# Altium PCB BLDC_v4.PcbDoc (part 1 of 2) (continued)
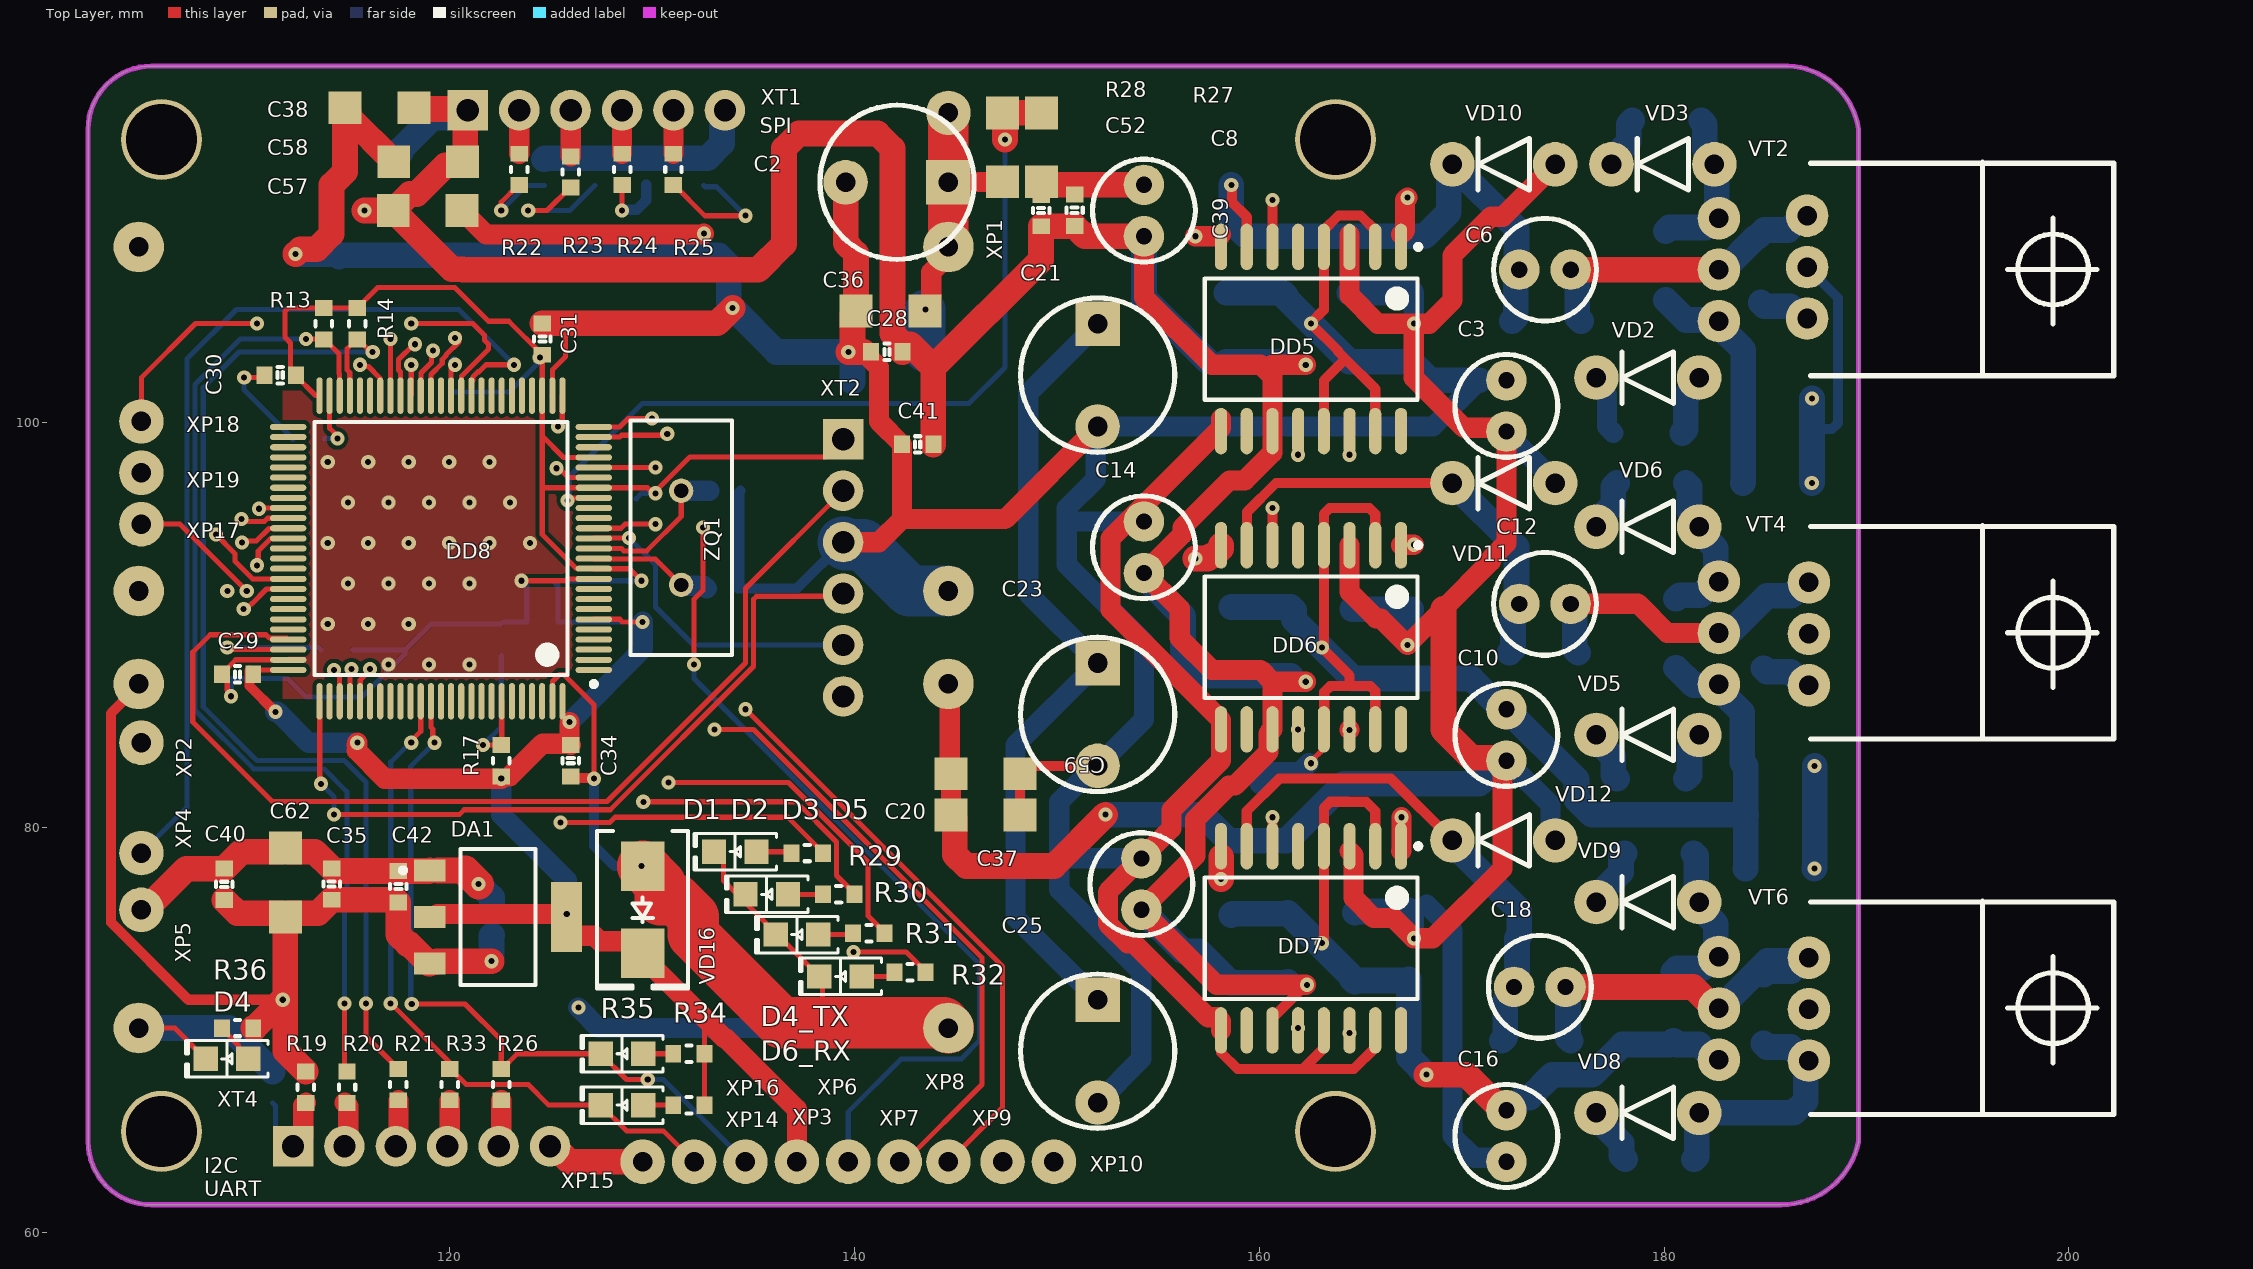
[diagram p0: Top Layer view]

## Layer stack, top to bottom
Top Solder: solder mask 0.0254, SM-001, Dk 4
Top Layer: signal copper 0.035
Dielectric 1: prepreg 0.1295, PP-017, Dk 4.3
Dielectric 2: prepreg 0.1295, PP-017, Dk 4.3
Layer 1: signal copper 0.035
Dielectric 3: core 0.7112, Core-039, Dk 4.8
Layer 2: signal copper 0.035
Dielectric 4: prepreg 0.1295, PP-017, Dk 4.3
Dielectric 5: prepreg 0.1295, PP-017, Dk 4.3
Bottom Layer: signal copper 0.035
Bottom Solder: solder mask 0.0254, SM-001, Dk 4

## Board outline
102.143,64.5 102.141,114.498 cw(c105.27,114.498) 105.27,117.627 185.803,117.627 cw(c185.993,113.976) 189.611,114.5 189.611,64.5 cw(c185.786,65.275) 185.775,61.373 105.27,61.373 cw(c105.27,64.5)

## Design rules (kind name [scope] priority, off if disabled: settings)
BackDrilling [All] p1: maxstublength=0.381 usetopbackdrill=TRUE usebottombackdrill=TRUE holeoversize=0.025 holetolplus=0 holetolminus=0
BoardOutlineClearance [All] p1: gap=0.5 ignorepadtopadclearanceinfootprint=FALSE except(0: Arc-SplitBarrior Arc-SplitContinuation Track-SplitBarrior Track-SplitContinuation SMDPad-SplitContinuation THPad-SplitContinuation Via-SplitBarrior Via-SplitContinuation Fill-SplitBarrior Fill-SplitContinuation Poly-SplitBarrior Poly-SplitContinuation Region-SplitBarrior Region-SplitContinuation Text-SplitBarrior Text-SplitContinuation)
Clearance [All] p1: gap=0.15 ignorepadtopadclearanceinfootprint=FALSE except(0.2: Arc-Fill Arc-Poly Arc-Region Track-Fill Track-Poly Track-Region SMDPad-Fill SMDPad-Poly SMDPad-Region THPad-Fill THPad-Poly THPad-Region Via-Fill Via-Poly Via-Region Fill-Fill Fill-Poly Fill-Region Poly-Poly Poly-Region Region-Region)
ComponentClearance [All] p1: gap=-0.05 collisioncheckmode=3 verticalgap=0 showdistances=TRUE
DiffPairsRouting [All] p1: maxlimit=0.15 minlimit=0.15 mostfreqgap=0.15 toplayer_minwidth=0.15 toplayer_maxwidth=0.15 toplayer_prefwidth=0.15 midlayer1_minwidth=0.15 midlayer1_maxwidth=0.15 midlayer1_prefwidth=0.15 midlayer2_minwidth=0.15 midlayer2_maxwidth=0.15 midlayer2_prefwidth=0.15 bottomlayer_minwidth=0.15 bottomlayer_maxwidth=0.15 bottomlayer_prefwidth=0.15 maxuncoupledlength=5
FabricationTestPointUsage TestPointUsage [All] p1: valid=0 allowmultiple=FALSE
FabricationTestpoint Testpoint [All] p1: side=3 testpointundercomponent=TRUE minsize=1.016 maxsize=2.54 preferedsize=1.524 minholesize=0.508 maxholesize=1.016 preferedholesize=0.813 testpointgrid=0.025 allowsidetop=TRUE allowsidebottom=TRUE usegrid=TRUE gridtolerance=0
Height [All] p1: minheight=0 maxheight=50 prefheight=10
HoleSize [All] p1: absolutevalues=TRUE maxlimit=5 minlimit=0.3 maxpercent=80.000 minpercent=20.000
HoleToHoleClearance [All] p1: gap=0.4 allowstackedmicrovias=TRUE
MinimumAnnularRing [All] p1: minimumring=0.2
MinimumSolderMaskSliver [All] p1: minsoldermaskwidth=0.15
PlaneClearance [All] p1: clearance=0.254
PolygonConnect [All] p1: thpad.connectstyle=Relief thpad.reliefconductorwidth=1 thpad.reliefentries=4 thpad.polygonreliefangle="90 Angle" thpad.airgapwidth=0.2 smdpad.connectstyle=Relief smdpad.reliefconductorwidth=2 smdpad.reliefentries=4 smdpad.polygonreliefangle="90 Angle" smdpad.airgapwidth=0.2 via.connectstyle=Direct via.reliefconductorwidth=0.15 via.reliefentries=4 via.polygonreliefangle="90 Angle" via.airgapwidth=0.2
RoutingVias [All] p1: holewidth=0.3 width=0.7 viastyle="Through Hole" minholewidth=0.3 minwidth=0.7 maxholewidth=2 maxwidth=3
SilkToSilkClearance [All] p1: silktosilkclearance=0.15
SilkToSolderMaskClearance SilkscreenOverComponentPads [IsPad] p1: minsilkscreentomaskgap=0.1 clearancetoexposedcopper=TRUE
SolderMaskExpansion [All] p1: expansion=0.075
ViasUnderSMD [All] p1: allowed=TRUE
Width [All] p1: maxlimit=5 minlimit=0.15 preferedwidth=0.15
19 further rules are at their usual default settings.

## Classes and differential pairs
component class BLDC_v3: C1 C2 C27 C28 C29 C30 C31 C32 C33 C34 C35 C36 C37 C38 C39 C40 C41 C42 C52 C53 C54 C55 C56 C57 C58 C59 C60 C62 D1 D2 D3 D4 D4_TX D5 D6_RX D7 D8 D9 D10 DA1 DD1 DD2 DD8 R13 R14 R15 R16 R17 R18 R19 R20 R21 R22 R23 R24 R25 R26 R27 R28 R29 R30 R31 R32 R33 R34 R35 R36 VD1 VD15 VD16 XP1 XP2 XP3 XP4 XP5 XP6 XP7 XP8 XP9 XP10 XP14 XP15 XP16 XP17 XP18 XP19 XT1 XT2 XT4 ZQ1
component class BLDC_v3_p2: C3 C4 C5 C6 C7 C8 C9 C10 C11 C12 C13 C14 C15 C16 C17 C18 C19 C20 C21 C22 C23 C24 C25 C26 C43 C44 C45 C46 C47 C48 C49 C50 C51 DD5 DD6 DD7 R1 R2 R3 R4 R5 R6 R7 R8 R9 R10 R11 R12 VD2 VD3 VD5 VD6 VD8 VD9 VD10 VD11 VD12 VT1 VT2 VT3 VT4 VT5 VT6

## Components (designator, comment, footprint, x,y, rotation, side; value= is the part's Value field where it differs from the comment)
C1 "C_1206" RC1206 140.157,102.413 r0 bottom value=0.1
C2 "C100_V_WIDE" C100_WIDE 144.648,111.887 r180 top value="100 mkf"
C3 "C10_V" C10_V 172.212,99.568 r90 top value="10 mkf"
C4 "C_1206" RC1206 167.513,103.022 r90 bottom value=0.1
C5 "C_1206" RC1206 175.895,105.029 r180 bottom value=0.1
C6 "C10_V" C10_V 172.847,107.569 r0 top value="10 mkf"
C7 "C_1206" RC1206 158.369,106.426 r270 bottom value=0.1
C8 "C10_V" C10_V 154.305,109.22 r90 top value="10 mkf"
C9 "C_1206" RC1206 164.592,87.401 r90 bottom value=0.1
C10 "C10_V" C10_V 172.212,83.312 r90 top value="10 mkf"
C11 "C_1206" RC1206 175.768,88.646 r180 bottom value=0.1
C12 "C10_V" C10_V 172.847,91.059 r0 top value="10 mkf"
C13 "C_1206" RC1206 158.623,90.907 r270 bottom value=0.1
C14 "C10_V" C10_V 154.305,92.583 r90 top value="10 mkf"
C15 "C_1206" RC1206 164.719,72.39 r90 bottom value=0.1
C16 "C10_V" C10_V 172.212,63.5 r90 top value="10 mkf"
C17 "C_1206" RC1206 175.387,69.469 r180 bottom value=0.1
C18 "C10_V" C10_V 172.593,72.136 r0 top value="10 mkf"
C19 "C_1206" RC1206 161.417,75.794 r270 bottom value=0.1
C20 "C10_V" C10_V 154.178,75.946 r90 top value="10 mkf"
C21 "C100_V_WIDE" C100_WIDE 152.019,104.902 r270 top value="100 mkf"
C22 "C_1206" RC1206 183.921,99.187 r0 bottom value=0.1
C23 "C100_V_WIDE" C100_WIDE 152.019,88.138 r270 top value="100 mkf"
C24 "C_1206" RC1206 184.048,83.058 r0 bottom value=0.1
C25 "C100_V_WIDE" C100_WIDE 152.019,71.501 r270 top value="100 mkf"
C26 "C_1206" RC1206 184.023,77.978 r0 bottom value=0.1
C27 "0.1u" SMT0603CAP/VISHAY 122.098,75.463 r270 bottom
C28 "0.1u" SMT0603CAP/VISHAY 141.605,103.505 r0 top
C29 "0.1u" SMT0603CAP/VISHAY 109.53,87.572 r0 top
C30 "0.1u" SMT0603CAP/VISHAY 111.633,102.362 r0 top
C31 "0.1u" SMT0603CAP/VISHAY 124.587,104.14 r270 top
C32 "0.1u" SMT0603CAP/VISHAY 124.587,90.17 r0 bottom
C33 "0.1u" SMT0603CAP/VISHAY 124.333,92.202 r0 bottom
C34 "0.1u" SMT0603CAP/VISHAY 125.984,83.312 r90 top
C35 "10u" SMT0603CAP/VISHAY 114.173,77.216 r270 top
C36 "C_1206" RC1206 140.081,105.537 r0 top value=10u
C37 "C_1206" RC1206 148.184,80.632 r180 top value=0.1
C38 "C_1206" RC1206 114.833,115.57 r0 top value=0.1
C39 "0.1u" SMT0603CAP/VISHAY 149.225,110.49 r270 top
C40 "0.1u" SMT0603CAP/VISHAY 108.87,77.203 r270 top
C41 "10u" SMT0603CAP/VISHAY 143.129,98.933 r0 top
C42 "0.1u" SMT0603CAP/VISHAY 117.475,77.089 r270 top
C43 "C_1206" RC1206 164.465,103.022 r90 bottom value=10u
C44 "C_1206" RC1206 183.921,101.219 r0 bottom value=10u
C45 "C_1206" RC1206 161.163,106.426 r270 bottom value=10u
C46 "C_1206" RC1206 167.513,87.376 r90 bottom value=10u
C47 "C_1206" RC1206 183.896,97.028 r0 bottom value=10u
C48 "C_1206" RC1206 161.544,90.907 r270 bottom value=10u
C49 "C_1206" RC1206 167.386,72.517 r90 bottom value=10u
C50 "C_1206" RC1206 184.048,80.645 r0 bottom value=10u
C51 "C_1206" RC1206 158.623,75.692 r270 bottom value=10u
C52 "0.1u" SMT0603CAP/VISHAY 150.876,110.503 r270 top
C53 "CC0603" SMT0603CAP/VISHAY 133.477,91.821 r0 bottom
C54 "CC0603" SMT0603CAP/VISHAY 133.604,96.647 r0 bottom
C55 "2.2u" SMT0603CAP/VISHAY 114.464,89.027 r180 bottom
C56 "2.2u" SMT0603CAP/VISHAY 113.03,99.187 r0 bottom
C57 "C_1206" RC1206 120.625,110.49 r180 top value=0.1
C58 "C_1206" RC1206 117.246,112.903 r0 top value=10u
C59 "C_1206" RC1206 148.184,82.664 r180 top value=10u
C60 "0.1u" SMT0603CAP/VISHAY 111.252,67.183 r90 bottom
C62 "C_1206" RC1206 111.887,78.994 r270 top value=10u
D1 "Green" "LED 0805/2012 BLUE" 134.112,78.816 r180 top
D2 "Green" "LED 0805/2012 BLUE" 135.67,76.708 r180 top
D3 "Green" "LED 0805/2012 BLUE" 137.16,74.721 r180 top
D4 "Green" "LED 0805/2012 BLUE" 109,68.58 r180 top
D4_TX "Green" "LED 0805/2012 BLUE" 128.524,66.294 r180 top
D5 "Green" "LED 0805/2012 BLUE" 139.312,72.652 r180 top
D6_RX "Green" "LED 0805/2012 BLUE" 128.524,68.834 r180 top
D7 "ESDALC5-1BM2" STM-SOD-882_BD_V 124.689,112.178 r90 bottom
D8 "ESDALC5-1BM2" STM-SOD-882_BD_V 127.178,112.178 r90 bottom
D9 "ESDALC5-1BM2" STM-SOD-882_BD_V 129.743,112.178 r90 bottom
D10 "ESDALC5-1BM2" STM-SOD-882_BD_V 132.563,112.178 r90 bottom
DA1 "REG1117-3" ZZ311 122.403,75.59 r270 top
DD1 "LM2596_WIDE" LM2596_WIDE 144.648,91.694 r180 bottom locked
DD2 "LM2596_WIDE" LM2596_WIDE 144.648,70.104 r180 bottom locked
DD5 "IR2112_SMD" SOIC16_N 162.56,104.144 r270 top
DD6 "IR2112_SMD" SOIC16_N 162.56,89.408 r270 top
DD7 "IR2112_SMD" SOIC16_N 162.56,74.536 r270 top
DD8 "STM32F407VGT6" STM-LQFP100_N 119.578,93.796 r180 top
R1 "R_1206" CC1206 184.785,105.943 r90 bottom value=1k
R2 "R_1206" CC1206 177.495,99.504 r0 bottom value=10
R3 "R_1206" CC1206 178.435,114.935 r0 bottom value=10
R4 "R_1206" CC1206 180.086,109.474 r270 bottom value=1k
R5 "R_1206" CC1206 184.912,87.884 r90 bottom value=1k
R6 "R_1206" CC1206 177.673,82.423 r0 bottom value=10
R7 "R_1206" CC1206 177.673,97.028 r0 bottom value=10
R8 "R_1206" CC1206 180.594,91.313 r270 bottom value=1k
R9 "R_1206" CC1206 184.912,69.342 r90 bottom value=1k
R10 "R_1206" CC1206 178.079,63.627 r0 bottom value=10
R11 "R_1206" CC1206 178.054,78.74 r0 bottom value=10
R12 "R_1206" CC1206 180.467,72.873 r270 bottom value=1k
R13 "4.7k" SMT0603/VISHAY 113.792,104.902 r90 top
R14 "4.7k" SMT0603/VISHAY 115.443,104.902 r90 top
R15 "10k" SMT0603/VISHAY 120.201,102.298 r90 bottom
R16 "47" SMT0603/VISHAY 129.221,97.028 r90 bottom
R17 "N/C" SMT0603/VISHAY 122.555,83.312 r90 top
R18 "0" SMT0603/VISHAY 122.555,89.281 r270 bottom
R19 "0" SMT0603/VISHAY 112.903,67.183 r270 top
R20 "0" SMT0603/VISHAY 114.935,67.183 r270 top
R21 "0" SMT0603/VISHAY 117.475,67.31 r270 top
R22 "0" SMT0603/VISHAY 123.444,112.522 r270 top
R23 "0" SMT0603/VISHAY 125.984,112.395 r270 top
R24 "0" SMT0603/VISHAY 128.524,112.522 r270 top
R25 "0" SMT0603/VISHAY 131.064,112.522 r270 top
R26 "220" SMT0603/VISHAY 122.555,67.31 r90 top
R27 "R_1206" CC1206 147.32,115.316 r270 top value=1k
R28 "R_1206" CC1206 149.238,111.912 r90 top value=1k
R29 "1k" SMT0603/VISHAY 137.668,78.75 r0 top
R30 "1k" SMT0603/VISHAY 139.226,76.708 r0 top
R31 "1k" SMT0603/VISHAY 140.716,74.79 r0 top
R32 "1k" SMT0603/VISHAY 142.748,72.857 r0 top
R33 "220" SMT0603/VISHAY 120.015,67.31 r90 top
R34 "1k" SMT0603/VISHAY 131.826,66.294 r0 top
R35 "1k" SMT0603/VISHAY 131.826,68.834 r0 top
R36 "1k" SMT0603/VISHAY 109.53,70.104 r0 top
VD1 "SMBJ5.0CA-TR" "DO214AA SMB" 117.577,111.201 r90 bottom
VD2 "DIODE_LIE_WIDE" DIODE_V_WIDE_HOLES 176.657,102.235 r0 top value=UF4007
VD3 "DIODE_LIE_WIDE" DIODE_V_WIDE_HOLES 177.405,112.776 r0 top value=UF4007
VD5 "DIODE_LIE_WIDE" DIODE_V_WIDE_HOLES 176.657,84.582 r0 top value=UF4007
VD6 "DIODE_LIE_WIDE" DIODE_V_WIDE_HOLES 176.657,94.869 r0 top value=UF4007
VD8 "DIODE_LIE_WIDE" DIODE_V_WIDE_HOLES 176.657,65.913 r0 top value=UF4007
VD9 "DIODE_LIE_WIDE" DIODE_V_WIDE_HOLES 176.657,76.327 r0 top value=UF4007
VD10 "DIODE_LIE_WIDE" DIODE_V_WIDE_HOLES 169.545,112.776 r0 top value=UF4007
VD11 "DIODE_LIE_WIDE" DIODE_V_WIDE_HOLES 169.545,97.028 r0 top value=UF4007
VD12 "DIODE_LIE_WIDE" DIODE_V_WIDE_HOLES 169.545,79.375 r0 top value=UF4007
VD15 "SMBJ12A" "DO214AA SMB" 162.179,82.169 r0 bottom
VD16 "SMLVT3V3" "DO214AA SMB" 129.54,75.946 r270 top
VT1 "IRLZ44N" IRLZ44N 187.241,104.986 r90 bottom
VT2 "IRLZ44N" IRLZ44N 182.88,110.279 r270 top
VT3 "IRLZ44N" IRLZ44N 187.325,86.868 r90 bottom
VT4 "IRLZ44N" IRLZ44N 182.88,92.329 r270 top
VT5 "IRLZ44N" IRLZ44N 187.325,68.326 r90 bottom
VT6 "IRLZ44N" IRLZ44N 182.88,73.787 r270 top
XP1 "XP_1_WIDE" XP_WIDE 144.648,115.316 r180 top
XP2 "XP_1_WIDE" XP_WIDE 104.775,84.201 r180 top
XP3 "XP_1_WIDE" XP_WIDE 137.16,63.5 r180 top
XP4 "XP_1_WIDE" XP_WIDE 104.775,78.75 r180 top
XP5 "XP_1_WIDE" XP_WIDE 104.775,75.946 r180 top
XP6 "XP_1_WIDE" XP_WIDE 139.7,63.5 r180 top
XP7 "XP_1_WIDE" XP_WIDE 142.24,63.5 r180 top
XP8 "XP_1_WIDE" XP_WIDE 144.648,63.5 r180 top
XP9 "XP_1_WIDE" XP_WIDE 147.32,63.5 r180 top
XP10 "XP_1_WIDE" XP_WIDE 149.86,63.5 r270 top
XP14 "XP_1_WIDE" XP_WIDE 132.08,63.5 r270 top
XP15 "XP_1_WIDE" XP_WIDE 129.54,63.5 r270 top
XP16 "XP_1_WIDE" XP_WIDE 134.62,63.5 r270 top
XP17 "XP_1_WIDE" XP_WIDE 104.775,94.996 r270 top
XP18 "XP_1_WIDE" XP_WIDE 104.775,100.076 r270 top
XP19 "XP_1_WIDE" XP_WIDE 104.775,97.536 r270 top
XT1 "PLS6_GOST" XP_6_PIN 120.904,115.443 r0 top
XT2 "PLS6_GOST" XP_6_PIN 139.446,99.187 r270 top
XT4 "PLS6_GOST" XP_6_PIN 112.268,64.262 r0 top
ZQ1 "HC49/S" HS49/S 131.445,96.647 r270 top

## Footprints (in the part's own frame and the unit in brackets; to place one, negate y for a bottom-side part, rotate by r counter-clockwise, add the part's x,y. Pads: shape width x height; smd on the part's side, far side on the other; paste and mask are expansions set on the pad)
C10_V [mm]
  round 2 hole 0.8: 1(0,0) 2(2.54,0)
  silkscreen extent -1.27,-2.54 3.81,2.54, body extent -1.26,-2.51 3.74,2.49, height 12.9
C100_WIDE [mm]
  rect 2.2x2.2 hole 0.965: 1(0,0)
  round 2.2 hole 0.965: 2(5.08,0)
  silkscreen extent -1.27,-3.81 6.35,3.81, body extent -2.51,-5.01 7.49,4.96, height 12.5
CC1206 [mil]
  rect 64x64 smd: 1(0,0) 2(134,0)
  body extent 8,-31 134,32, height 39
DIODE_V_WIDE_HOLES [mm]
  round 2.2 hole 0.965: 1(5.08,0) 2(0,0)
  silkscreen extent 1.27,-1.27 3.81,1.27
"DO214AA SMB" [mm] "Molded Diode, 2-Leads, Body 4.31x3.62mm, IPC Medium Density"
  rect 2.45x2.15 smd: 1(-2.15,0) 2(2.15,0)
  silkscreen extent -3.9,-2.25 3.9,2.25, body extent -2.6,-1.8 2.6,1.8, height 2.4
HS49/S [mm]
  round 1.2 hole 0.7: 1(0,0) 2(4.65,0)
  silkscreen extent -3.47,-2.5 8.13,2.5
IRLZ44N [mm]
  round 2.1 hole 0.965: 1(0.17,-0.17) 2(2.71,-0.17) 3(5.25,-0.17)
  silkscreen extent -2.6,4.35 7.95,19.35, body extent -2.56,-0.45 7.98,19.32, height 4.7
"LED 0805/2012 BLUE" [mm] "Chip Diode, 2-Leads, Body 2.00x1.25mm, IPC Medium Density"
  rect 1.2x1.2 smd: 1(-1.05,0) 2(1.05,0)
  silkscreen extent -2.03,-0.9 2.03,0.9, body extent -1,-0.62 1,0.63, height 0.9
LM2596_WIDE [mm]
  round 2.5 hole 0.965: 1(0,0) 2(40,0) 3(40,17) 4(0,17)
  silkscreen extent -2,-2 42,19, body extent -1.43,-2.09 41.57,19.11, height 17.7
RC1206 [mil]
  rect 64x64 smd: 1(0,0) 2(134,0)
  body extent 1,-32 127,32, height 21
SMT0603/VISHAY [mm]
  rect 0.787x0.864 smd: 1(-0.775,0) 2(0.775,0)
  silkscreen extent -0.13,-0.41 0.13,0.41, body extent -0.78,-0.43 0.77,0.43, height 0.45
SMT0603CAP/VISHAY [mm]
  rect 0.787x0.864 smd: 1(-0.775,0) 2(0.775,0)
  silkscreen extent -0.13,-0.41 0.13,0.41, body extent -0.8,-0.4 0.8,0.4, height 0.5
SOIC16_N [mm] "SOIC, 16-Leads, Body 10.3x7.5mm, Pitch 1.27mm, IPC Medium Density"
  oval 2.3x0.6 smd: 1(-4.55,4.445) 2(-4.55,3.175) 3(-4.55,1.905) 4(-4.55,0.635) 5(-4.55,-0.635) 6(-4.55,-1.905) 7(-4.55,-3.175) 8(-4.55,-4.445) 9(4.55,-4.445) 10(4.55,-3.175) 11(4.55,-1.905) 12(4.55,-0.635) 13(4.55,0.635) 14(4.55,1.905) 15(4.55,3.175) 16(4.55,4.445)
  silkscreen extent -4.67,-5.25 3,5.42, body extent -3.75,-5.15 3.75,5.15, height 2.65
STM-LQFP100_N [mm] "Thin QFP, 100-Leads, Body 14x14mm, Pitch 0.5mm, IPC Medium Density"
  oval 1.8x0.3 smd: 1(-7.55,6) 2(-7.55,5.5) 3(-7.55,5) 4(-7.55,4.5) 5(-7.55,4) 6(-7.55,3.5) 7(-7.55,3) 8(-7.55,2.5) 9(-7.55,2) 10(-7.55,1.5) 11(-7.55,1) 12(-7.55,0.5) 13(-7.55,0) 14(-7.55,-0.5) 15(-7.55,-1) 16(-7.55,-1.5) 17(-7.55,-2) 18(-7.55,-2.5) 19(-7.55,-3) 20(-7.55,-3.5) 21(-7.55,-4) 22(-7.55,-4.5) 23(-7.55,-5) 24(-7.55,-5.5) 25(-7.55,-6) 51(7.55,-6) 52(7.55,-5.5) 53(7.55,-5) 54(7.55,-4.5) 55(7.55,-4) 56(7.55,-3.5) 57(7.55,-3) 58(7.55,-2.5) 59(7.55,-2) 60(7.55,-1.5) 61(7.55,-1) 62(7.55,-0.5) 63(7.55,0) 64(7.55,0.5) 65(7.55,1) 66(7.55,1.5) 67(7.55,2) 68(7.55,2.5) 69(7.55,3) 70(7.55,3.5) 71(7.55,4) 72(7.55,4.5) 73(7.55,5) 74(7.55,5.5) 75(7.55,6)
  oval 0.3x1.8 smd: 26(-6,-7.55) 27(-5.5,-7.55) 28(-5,-7.55) 29(-4.5,-7.55) 30(-4,-7.55) 31(-3.5,-7.55) 32(-3,-7.55) 33(-2.5,-7.55) 34(-2,-7.55) 35(-1.5,-7.55) 36(-1,-7.55) 37(-0.5,-7.55) 38(0,-7.55) 39(0.5,-7.55) 40(1,-7.55) 41(1.5,-7.55) 42(2,-7.55) 43(2.5,-7.55) 44(3,-7.55) 45(3.5,-7.55) 46(4,-7.55) 47(4.5,-7.55) 48(5,-7.55) 49(5.5,-7.55) 50(6,-7.55) 76(6,7.55) 77(5.5,7.55) 78(5,7.55) 79(4.5,7.55) 80(4,7.55) 81(3.5,7.55) 82(3,7.55) 83(2.5,7.55) 84(2,7.55) 85(1.5,7.55) 86(1,7.55) 87(0.5,7.55) 88(0,7.55) 89(-0.5,7.55) 90(-1,7.55) 91(-1.5,7.55) 92(-2,7.55) 93(-2.5,7.55) 94(-3,7.55) 95(-3.5,7.55) 96(-4,7.55) 97(-4.5,7.55) 98(-5,7.55) 99(-5.5,7.55) 100(-6,7.55)
  silkscreen extent -7.68,-6.25 6.25,6.82, body extent -7,-7 7,7, height 1.6
STM-SOD-882_BD_V [mm] "SOD-882, 2-Leads, Body 1x0.6mm, Bidirectional"
  rrect25% 0.5x0.5 smd: 1(-0.45,0) 2(0.45,0)
  body extent -0.51,-0.31 0.51,0.31, height 0.49
XP_6_PIN [mm]
  rect 2x2 hole 1.1: 1(0,0)
  round 2 hole 1.1: 2(2.54,0) 3(5.08,0) 4(7.62,0) 5(10.16,0) 6(12.7,0)
XP_WIDE [mm]
  round 2.2 hole 0.965: 1(0,0)
ZZ311 [mm] "SOT-223/SC-73; 4 Leads; Body 6.7 x 7.3 mm, inc. leads (LxW max)"
  rect 1.1x1.55 smd: 1(-2.3,-3.375) 2(0,-3.375) 3(2.3,-3.375)
  rect 3.45x1.55 smd: 4(0,3.375)
  silkscreen extent -3.35,-4.82 3.35,1.85, body extent -3.2,-3.79 3.3,3.28, height 1.6

## Part data
C27 C28 C29 C30 C31 C32 C33 C34 C35 C39 C40 C41 C42 C52 C55 C56 C60: library part CC0603, "50V 0603 cap"
C53 C54: "50V 0603 cap"
D1 D2 D3 D4 D4_TX D5 D6_RX: library part LED, "Chip LED"
D7 D8 D9 D10: library part CMP-02192-4, "Single Line Low Capacitance Transil™, 5 V, -55 to 150 degC, 2-Pin SOD-882, RoHS, Tape and Reel", Capacitance Value=30pF, ESD Protection Voltage=?30KV@ContactDisc, Leakage Current=0.05uA, Manufacturer=ST, Operating Temperature Max Deg. C=150C, Operating Temperature Min Deg. C=-55C, Package Reference=STM-SOD-882, Configuration=Single, Datasheet URL=https://www.st.com/resource/en/datasheet/esdalc5-1bm2.pdf, DELETED=Compliant, Direction Type=Bi-Directional, Leakage Current (Max)=0.05uA, Mounting Style=SurfaceMount, Packaging=TapeandReel, Pin Count=2, Product Depth (mm)=0.6mm, Product Height (mm)=0.45(Max)mm, Rad Hardened=No, Suppressor Type=TVS
DA1: "800mA and 1A Low Dropout Positive Regulator 2.85V, 3.3V, 5V, and Adjustable", ComponentLink1Description="Manufacturer Link", ComponentLink1URL=http://www.ti.com/, ComponentLink2Description=Datasheet, ComponentLink2URL=http://www-s.ti.com/sc/ds/REG1117.pdf, DatasheetVersion=Sep-1997, LatestRevisionDate=17-Jul-2002, LatestRevisionNote="Re-released for DXP Platform.", PackageDescription="SOT-223/SC-73; 4 Leads; Body 6.7 x 7.3 mm, inc. leads (LxW max)", PackageReference=ZZ311, PackageVersion=revC, Published=8-Jun-2000, Publisher="Altium Limited"
DD5 DD6 DD7: "High and Low Side Driver", Code_IPC=SOIC127P1030-16, Code_JEDEC=MS-013-AA, ComponentLink1Description="Manufacturer Link", ComponentLink1URL=http://www.irf.com/, ComponentLink2Description=Datasheet, ComponentLink2URL=http://www.irf.com/product-info/datasheets/data/ir2112.pdf, DatasheetVersion=PD60026J, LatestRevisionDate=13-Apr-2006, LatestRevisionNote="IPC-7351 Footprint Added.", Note="Pins 4, 5, 9, 10 and 16 are not connected", PackageDescription="16-Pin Small Outline Integrated Circuit 1.27 mm Pitch", PackageReference=SOIC16, Published=8-Jun-2000, Publisher="Altium Limited"
DD8: "ARM Cortex-M4 32-bit MCU+FPU, 210 DMIPS, 1024 kB Flash, 192 kB Internal RAM, 82 I/Os, 100-pin LQFP, -40 to 85 degC, Tray", I/Os (High Current)=82, Manufacturer=STMicroelectronics, Operating Frequency(F) (Processor speed) (MHz)=168, Supplier Part Number 1=497-11605-ND, Supply Voltage(Vcc) max (V)=3.6, Supply Voltage(Vcc) min (V)=1.8, ComponentLink1Description="Manufacturer URL", ComponentLink1URL=http://www.st.com/web/en/home.html, ComponentLink2Description=Datasheet, ComponentLink2URL=http://www.st.com/st-web-ui/static/active/en/resource/technical/document/datasheet/DM00037051.pdf, ComponentLink3Description="Package Specification", ComponentLink3URL=http://www.st.com/st-web-ui/static/active/en/resource/technical/document/data_brief/DM00071938.pdf, Core="ARM Cortex-M4", D/A Converter=2x12-bit, DatasheetVersion="Rev. 4", FLASH Size (Prog) (kB)=1024, Internal RAM Size (kB)=192, Mounting Technology="Surface Mount", PackageDescription="100-Pin Low Profile Quad Flat Package, 14 x 14 mm Body, 0.5 mm Pitch", PackageReference=LQFP100, PackageVersion="Rev. 1, 06/2013", Packing=Tray, PartNumber=STM32F407VGT6, Supplier 1=Digi-Key, Supplier 2=Farnell, Supplier 3=Newark, Supplier 4=Mouser, Supplier Part Number 2=2064368, Supplier Part Number 3=73T2333, Supplier Part Number 4=511-STM32F407VGT6
R13 R14 R16 R17 R18 R19 R20 R21 R22 R23 R24 R25 R26 R29 R30 R31 R32 R33 R34 R35 R36: library part CRCW060310K0FKEA/MURATA, "10k"
R15: library part CRCW060310K0FKEA/MURATA
XT1 XT2 XT4: "Header, 6-Pin", LatestRevisionDate=17-Jul-2002, LatestRevisionNote="Re-released for DXP Platform.", Publisher="Altium Limited"
ZQ1: "Crystal Oscillator"

## Free pads (board coordinates)
  round 4 hole 3.5: ""(105.77,65) ""(105.77,114) ""(163.77,65) ""(163.77,114)

## Via types
v1: diameter 0.7, hole 0.3, Top Layer to Bottom Layer, tented both sides, 135 vias
v2: diameter 0.7, hole 0.3, Top Layer to Bottom Layer, 3 vias

## Nets (pads, with @x,y where several pads share a name; then routed paths per layer and width w, separated by ;. In a path a pad name is that pad's centre, name@x,y a point inside that pad or via, vN(x,y) a via of type N, cw(c..) or ccw(c..) an arc to the next point about the centre after c; other vN are vias at no path point)
+3.3V: C29.2 C30.2 C31.2 C32.2 C33.2 C34.2 DA1.2 DA1.4 DD8.6 DD8.11 DD8.19 DD8.22 DD8.28 DD8.50 DD8.75 DD8.100 R13.2 R14.2 R15.1 R16.1 R17.1 R34.2 R35.2 VD16.2 XP3.1 XP17.1 XT2.1 | length 151.6
  Top Layer w0.254: XP17.1@104.775,94.996 106.68,94.996 v1(109.982,91.694) ; C29.2@110.122,87.757 110.161,87.796 DD8.75@112.028,87.796 ; DD8.50@113.578,101.346 113.386,101.346 112.408,102.324 C30.2@112.408,102.362 112.141,102.629 112.141,103.953 111.865,104.229 111.865,105.515 112.027,105.677 R13.2@113.792,105.677 R14.2@115.443,105.677 116.446,106.68 120.267,106.68 121.924,105.023 122.93,105.023 C31.2@124.587,103.365 ; C31.2@124.578,103.227 DD8.28@124.578,101.346 124.578,99.355 ; DD8.6@127.128,90.296 128.409,90.296 128.535,90.17 v1(129.54,90.17) ; DD8.22@127.128,98.296 125.637,98.296 124.578,99.355 ; v1(129.488,92.202) 128.894,92.796 DD8.11@127.128,92.796 127.119,92.805 126.265,92.805 124.578,94.492 124.578,96.805 ; 132.442,70.744 132.601,70.585 R35.2@132.601,68.834 R34.2@132.601,66.294 ; XT2.1@139.446,99.187 138.573,98.314 131.872,98.314 130.175,96.617 v1(130.175,96.52) 130.054,96.52 129.778,96.796 DD8.19@127.128,96.796 124.587,96.796 124.578,96.805 ; 124.578,96.805 124.578,99.355
  Top Layer w0.5: C29.2@110.122,87.757 110.122,86.998 v1(111.395,85.725)
  Top Layer w1: 115.405,83.82 116.802,82.423 v1(122.555,82.423) ; v1@115.405,84.087 115.443,84.125 v1(115.443,84.201) ; DA1.2@119.332,75.667 119.409,75.743 v2(125.791,75.743) 125.579,75.743 125.503,75.667 125.778,75.392 125.778,74.941 126.053,74.666 127.149,74.666 127.424,74.391 128.965,74.391 129.532,73.824 129.532,73.654 132.442,70.744 ; R17.1@122.981,82.537 124.587,84.143 C34.2@125.928,84.143 ; v1(125.928,85.217) C34.2@125.928,84.143 ; C34.2@125.984,84.087 C34.2@125.928,84.143 ; 132.601,70.585 133.6,69.585 133.675,69.585 137.16,66.1 XP3.1@137.16,63.5
  Layer 2 w0.254: v1@110.087,91.694 110.087,91.571 110.49,91.168 110.49,88.778 111.395,87.873 v1(111.395,85.725)
  Bottom Layer w0.254: R15.1@120.201,101.523 122.947,101.523 124.46,103.036 v1(124.46,103.227) ; R16.1@129.221,96.253 129.488,96.52 v1(130.175,96.52) ; v1(129.488,92.202) C33.2@125.108,92.202 125.362,91.948 C32.2@125.362,90.17 v1(129.54,90.17)
  Bottom Layer w1: v1(111.395,85.725) 111.506,85.725 113.03,84.201 v1(115.443,84.201) ; v1(122.555,82.423) 122.555,80.645 125.791,77.409 v2(125.791,75.743) ; v1(125.928,85.217) 129.54,88.829 v1(129.54,90.17)
+5V: C7.2 C8.1 C13.2 C14.1 C19.2 C20.1 C27.2 C28.2 C35.2 C38.2 C39.2 C40.2 C41.2 C42.2 C45.2 C48.2 C51.2 C52.2 C57.2 C58.2 C62.2 DA1.3 DD2.3 DD5.11 DD6.11 DD7.11 R19.1 R36.2 VD1.2 XT1.1 | length 253.9
  Top Layer w0.5: DD2.3@104.648,87.104 104.648,87.022 103.275,85.649 103.275,75.325 107.099,71.501 v1(111.76,71.501) v1@111.887,71.501
  Top Layer w0.508: DD7.11@160.655,69.986 160.655,70.595 162.299,72.239 v1(162.364,72.239)
  Top Layer w1: C8.1@154.305,109.22 154.305,106.211 157.646,102.87 160.069,102.87 160.362,102.577 ; v1@162.299,72.239 157.885,72.239 C20.1@154.178,75.946 156.845,78.613 156.845,80.427 158.499,82.081 158.801,82.081 160.455,83.734 160.455,84.658 DD6.11@160.655,84.858 160.655,87.21 ; v1(162.299,87.21) 160.655,87.21 ; v1(162.299,102.87) 160.655,102.87 160.362,102.577 ; 160.362,102.577 160.655,102.284 DD5.11@160.655,99.594 160.655,98.514 159.296,97.155 158.532,97.155 156.21,94.833 156.21,94.488 C14.1@154.305,92.583 154.305,92.58 156.071,90.814 156.071,89.371 157.646,87.796 160.069,87.796 160.655,87.21
  Top Layer w1.27: C40.2@108.87,76.428 109.53,75.768 111.709,75.768 C62.2@111.887,75.59 ; R36.2@110.305,70.104 110.363,70.104 v1(111.76,71.501) ; R19.1@112.903,67.958 111.887,68.974 111.887,71.501 C62.2@111.887,75.59 ; v1(115.795,110.49) C57.2@117.221,110.49 ; C42.2@117.348,76.232 117.348,76.441 C35.2@114.173,76.441 113.5,75.768 112.065,75.768 C62.2@111.887,75.59 ; C42.2@117.468,76.314 117.468,74.715 117.927,74.255 118.008,74.255 118.973,73.29 DA1.3@119.028,73.29 ; C38.2@118.237,115.57 118.3,115.506 120.84,115.506 XT1.1@120.904,115.443 120.777,115.316 120.777,113.03 C58.2@120.65,112.903 120.472,112.725 119.804,112.725 118.384,111.305 118.036,111.305 C57.2@117.221,110.49 ; DA1.3@119.332,73.367 119.372,73.406 v2(122.072,73.406) ; C28.2@142.38,103.505 142.38,103.906 141.887,104.399 141.887,113.556 141.143,114.3 137.269,114.3 136.525,113.556 136.525,108.839 135.255,107.569 120.667,107.569 120.644,107.592 120.119,107.592 C57.2@117.221,110.49 ; C28.2@142.761,103.886 143.904,102.743 ; C41.2@143.904,98.933 143.904,102.743 ; C8.1@154.305,109.22 151.384,109.22 C52.2@150.876,109.728 150.863,109.715 C39.2@149.225,109.715 149.225,108.064 143.904,102.743
  Layer 2 w1: DD2.3@104.648,87.104 106.68,89.136 106.68,106.934 110.236,110.49 v1(115.795,110.49)
  Bottom Layer w0.508: C19.2@161.417,72.39 161.568,72.239 v1(162.364,72.239)
  Bottom Layer w1: C45.2@161.163,103.022 161.315,102.87 v1(162.299,102.87)
  Bottom Layer w1.27: VD1.2@117.577,113.351 117.577,113.501 119.153,115.078 120.539,115.078 XT1.1@120.904,115.443 ; v2(122.072,73.406) 122.072,74.663 C27.2@122.098,74.688 ; C20.1@154.178,75.946 156.232,73.892 157.02,73.892 158.572,72.339 161.366,72.339 C19.2@161.417,72.39 ; C14.1@154.305,92.583 154.305,92.385 156.241,90.45 156.241,88.742 157.48,87.503 C13.2@158.623,87.503 C48.2@161.544,87.503 ; C8.1@154.305,109.22 154.305,106.197 157.48,103.022 ; C7.2@158.369,103.022 C45.2@161.163,103.022
+12V: C3.1 C4.2 C9.2 C10.1 C15.2 C16.1 C37.2 C43.2 C46.2 C49.2 C59.2 DD1.3 DD2.4 DD5.3 DD6.3 DD7.3 VD10.1 VD11.1 VD12.1 VD15.2 | length 208.6
  Top Layer w1: DD2.4@144.648,87.104 144.714,87.038 144.714,82.616 144.78,82.55 C37.2@144.78,80.632 C37.2@144.78,80.518 ; DD7.3@164.465,78.845 164.665,78.645 164.665,76.532 165.663,75.534 166.642,75.534 v1(167.64,74.536) 168.579,74.536 172.021,77.978 172.021,83.121 C10.1@172.212,83.312 ; DD6.3@164.465,93.958 164.465,91.645 165.774,90.336 166.014,90.336 v1(167.322,89.027) 169.1,90.805 171.45,93.154 171.45,93.296 172.212,94.058 C3.1@172.212,99.568 172.021,99.759 170.116,99.759 167.64,102.235 v1(167.64,104.902) ; DD5.3@164.465,109.303 DD5.3@164.465,108.694 164.465,106.299 165.862,104.902 v1(167.64,104.902) ; VD10.1@174.625,112.776 172.029,110.18 171.45,110.18 169.545,108.275 169.545,106.045 168.402,104.902 v1(167.64,104.902)
  Top Layer w1.27: C37.2@144.78,80.518 144.894,80.518 144.958,80.454 144.958,78.671 145.524,78.105 149.86,78.105 v1(152.4,80.645) ; 169.1,90.805 169.1,84.835 170.484,83.452 172.072,83.452 C10.1@172.212,83.312
  Layer 1 w2: DD1.3@104.648,108.694 104.783,108.694 106.797,106.68 130.175,106.68 137.296,99.559 137.296,85.596 138.555,84.337 140.337,84.337 143.008,87.008 144.552,87.008 DD2.4@144.648,87.104
  Bottom Layer w1: v1(167.322,89.027) 167.322,90.589 C46.2@167.513,90.78 ; C49.2@167.386,75.921 167.64,75.667 v1(167.64,74.536) ; C4.2@167.513,106.426 167.64,106.299 v1(167.64,104.902) ; 168.275,76.2 169.545,74.93 169.545,64.77 170.624,63.691 172.021,63.691 C16.1@172.212,63.5 ; C10.1@172.212,83.312 174.395,81.129 174.395,79.605 VD12.1@174.625,79.375 ; C3.1@172.212,99.568 172.212,99.504 174.625,97.091 VD11.1@174.625,97.028
  Bottom Layer w1.27: v1(152.4,80.645) 157.191,80.645 158.48,79.356 161.366,79.356 164.179,82.169 VD15.2@164.329,82.169 170.871,82.169 172.014,83.312 C10.1@172.212,83.312 ; C43.2@164.465,106.426 C4.2@167.513,106.426 ; C9.2@164.592,90.805 164.605,90.792 167.5,90.792 C46.2@167.513,90.78 ; C15.2@164.719,75.794 164.782,75.857 167.322,75.857 C49.2@167.386,75.921
+36V: C1.2 C2.1 C36.2 DD1.4 R27.2 XP1.1 | length 14.6
  Top Layer w1: C36.2@143.797,105.85 143.797,107.438 144.648,108.288 DD1.4@144.648,108.694 ; C2.1@144.648,111.887 144.661,111.9 147.307,111.9 R27.2@147.32,111.912
  Top Layer w2: DD1.4@144.648,108.694 C2.1@144.648,111.887 XP1.1@144.648,115.316
  Bottom Layer w2: 143.485,103.505 143.51,103.53 v1(143.51,105.602)
+36V_I: C21.1 C22.2 C23.1 C24.2 C25.1 C26.2 C44.2 C47.2 C50.2 VT1.2 VT3.2 VT5.2 | length 58.8
  Bottom Layer w0.5: VT1.2@187.071,107.696 188.595,106.172 188.595,99.988 188.302,99.695 187.833,99.695 C22.2@187.325,99.187
  Bottom Layer w1: C25.1@152.019,71.501 147.955,75.565 147.955,84.074 C23.1@152.019,88.138 148.59,91.567 148.59,101.473 C21.1@152.019,104.902
  Bottom Layer w1.27: v1(187.3,97.028) 187.312,97.041 v1(187.312,101.206) C44.2@187.325,101.219 ; v1(187.427,77.978) 187.439,77.991 v1(187.439,83.045) C24.2@187.452,83.058
ANALOG_IO_0: DD8.16
ANALOG_IO_1: DD8.15 XP6.1 | length 47.3
  Top Layer w0.254: DD8.15@127.128,94.796 128.475,94.796 128.675,94.996 v1(130.175,94.996) ; v1(132.08,88.061) 132.08,91.287 132.52,91.727 v1(132.52,94.833)
  Layer 2 w0.254: v1(130.175,94.996) 130.34,94.996 130.503,94.833 v1(132.52,94.833)
  Bottom Layer w0.254: v1(132.08,88.061) 132.08,87.376 146.175,73.281 146.175,69.471 145.281,68.577 142.313,68.577 139.7,65.964 XP6.1@139.7,63.5
BOOT0: DD8.94 R17.2 R18.2 | length 7.9
  Top Layer w0.254: v1(121.653,84.087) R17.2@122.555,84.087 122.578,84.11 DD8.94@122.578,86.246
  Bottom Layer w0.254: v1(121.653,84.087) 122.555,84.989 R18.2@122.555,88.506
DIR: DD8.36 XP18.1 | length 24.1
  Top Layer w0.254: XP18.1@104.775,100.076 104.775,102.235 107.449,104.909 110.483,104.909 v1(110.49,104.902) ; v1(118.11,104.902) 118.117,104.909 121.151,104.909 121.726,104.334 121.726,104.08 121.92,103.886 121.92,103.637 120.587,102.303 120.587,101.355 DD8.36@120.578,101.346
  Layer 1 w0.254: v1(110.49,104.902) v1(118.11,104.902)